# Altium PCB ps32-lite_rev_a_public.pcbdoc (part 1 of 3)
Units mm, origin at the board's own origin, x right, y up, seen from the top; angles counter-clockwise.
Board outline 80 x 99 mm, 4 copper layers (Top Layer, Int1 (GND), Int2 (PWR), Bottom Layer), stack 1.369 mm thick; 80 components, 247 nets, 825 pads, 640 vias.
Unrouted connection lines stored in the file: 30.
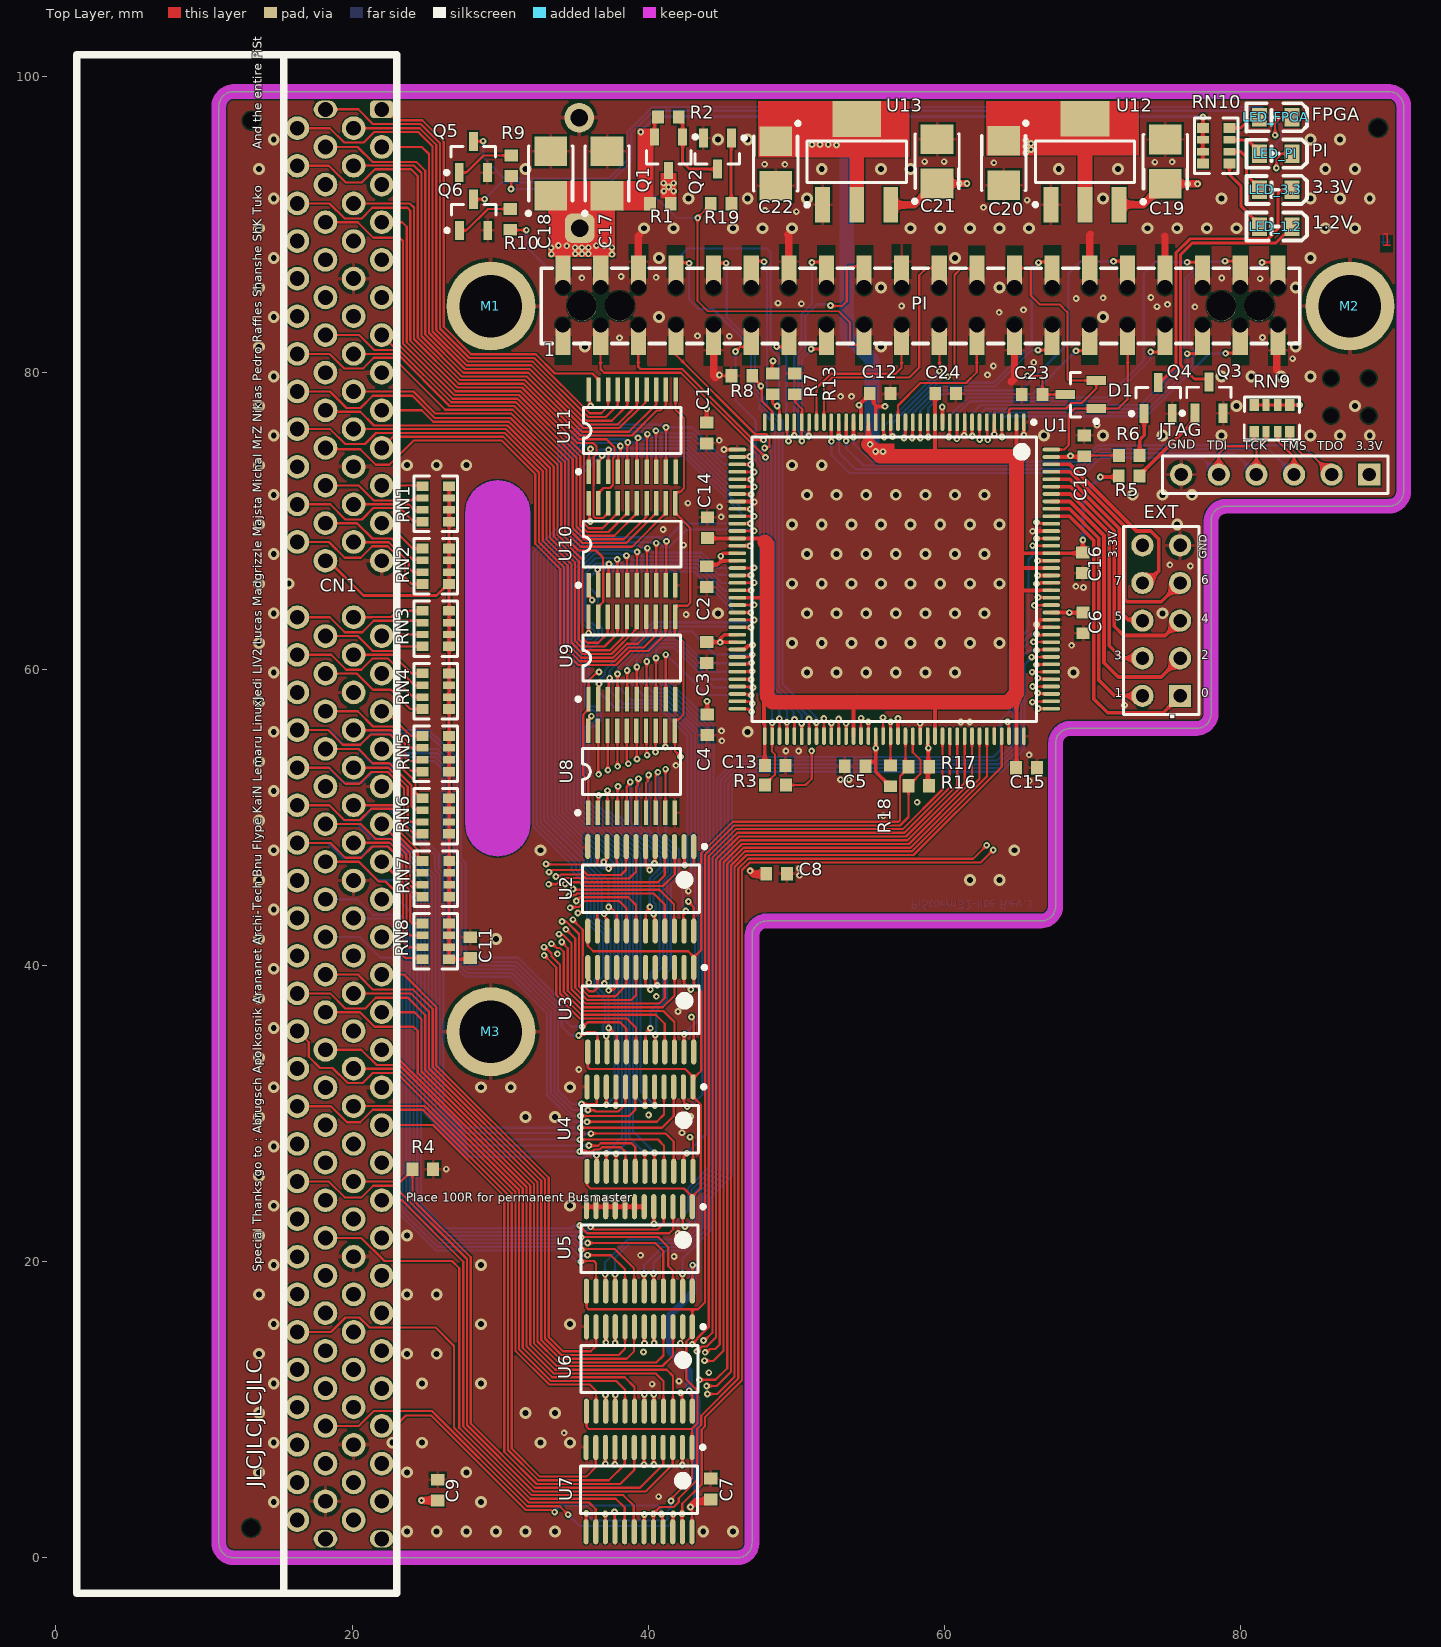
[diagram p0: Top Layer view]
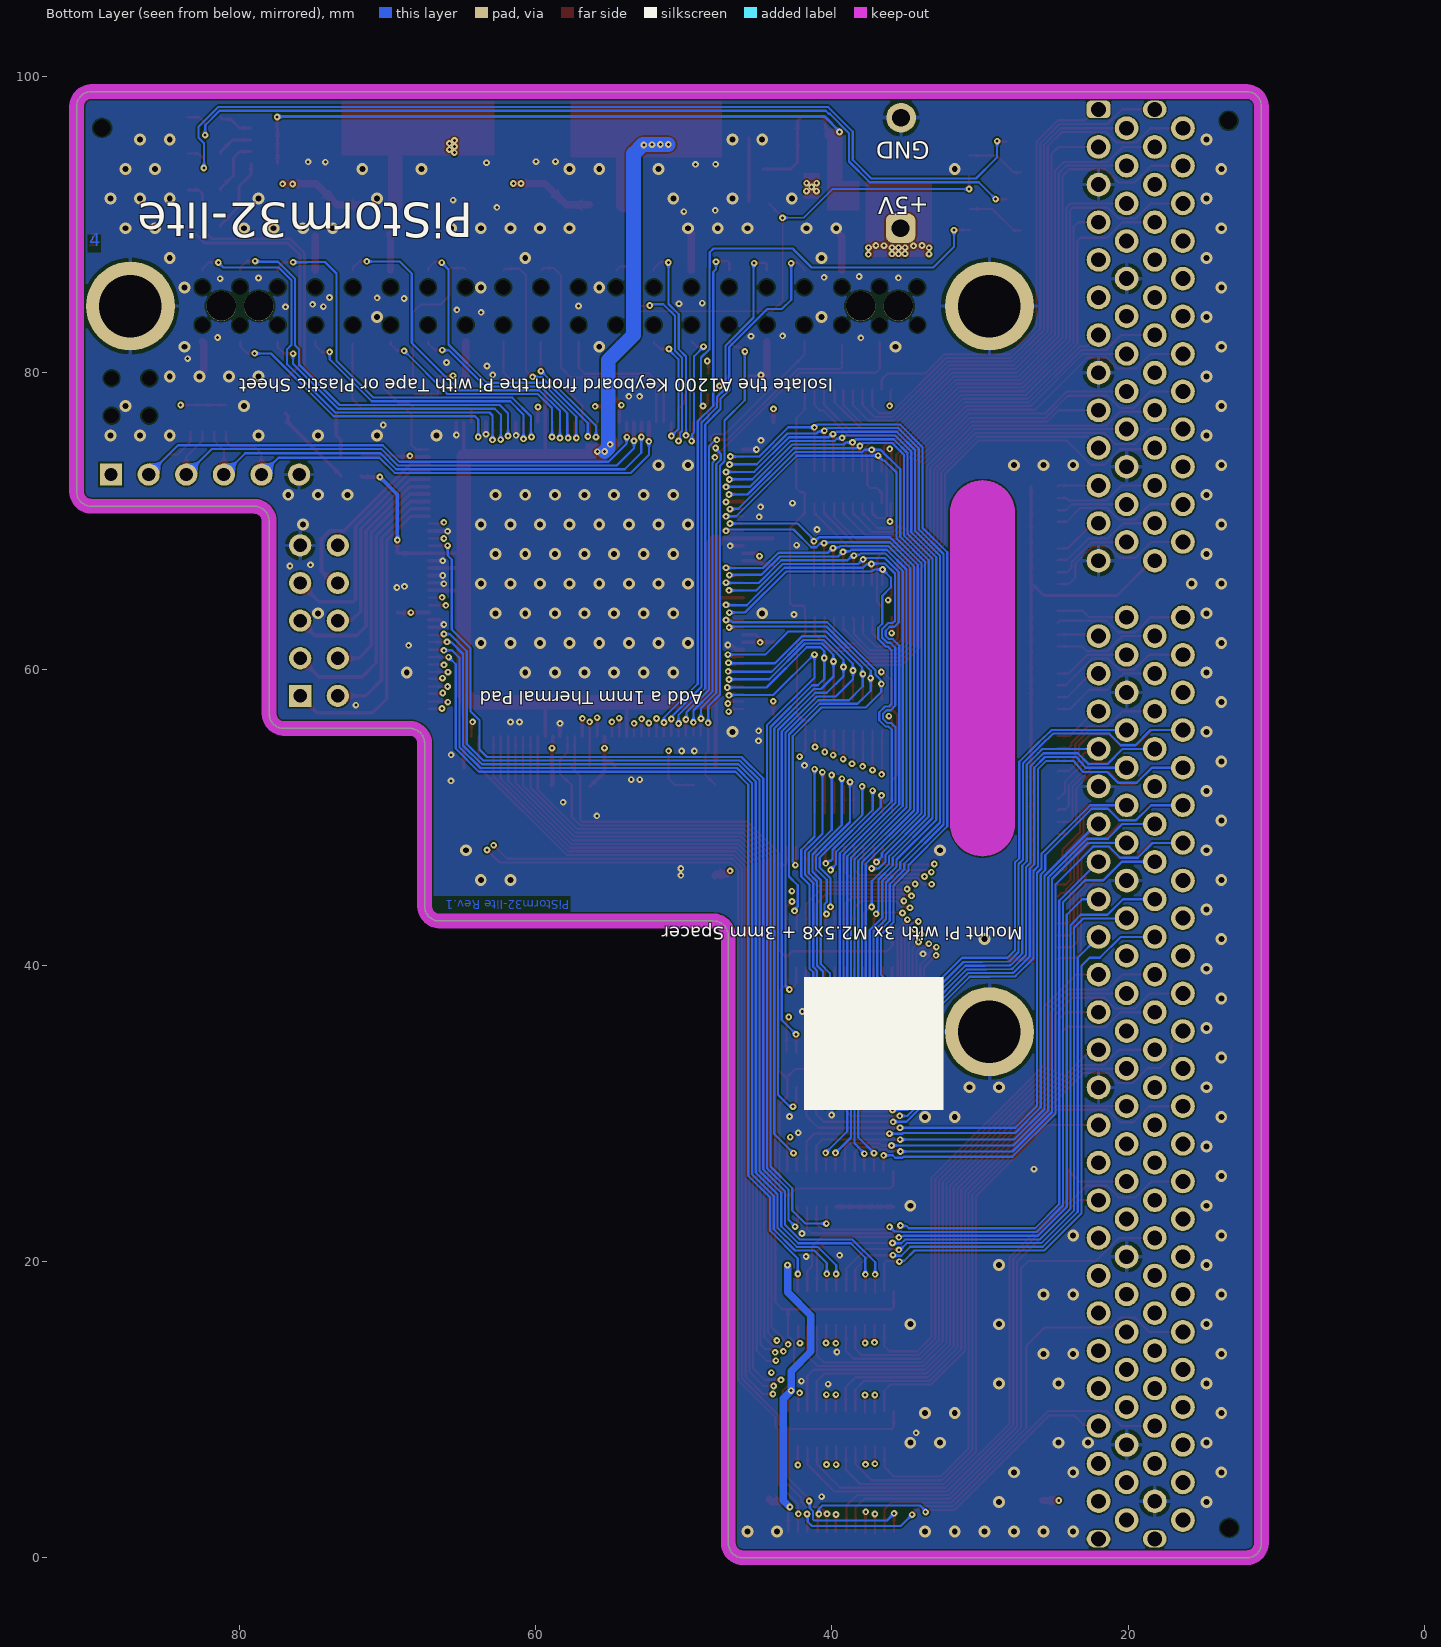
[diagram p1: Bottom Layer view, seen from below]
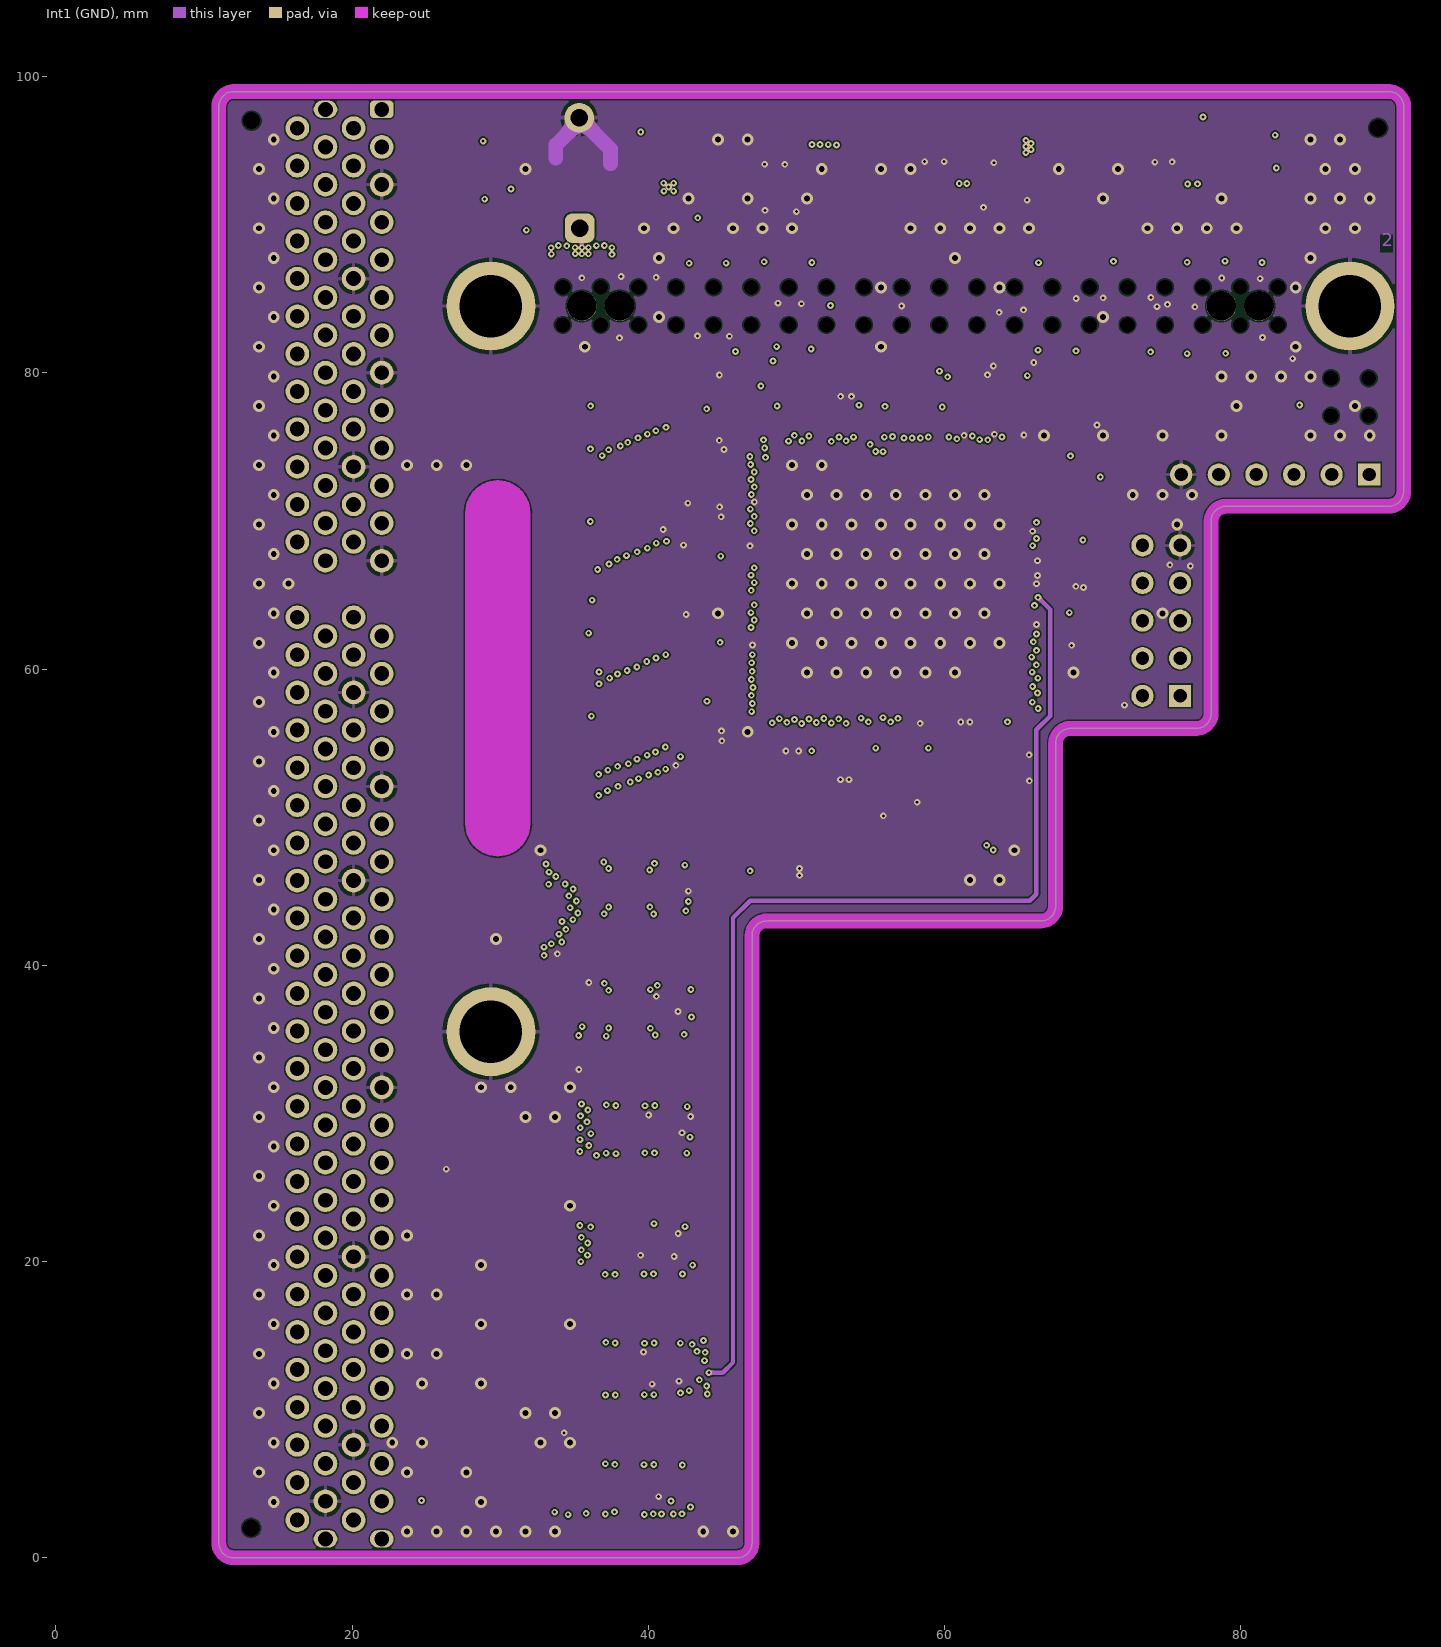
[diagram p2: Int1 (GND)]
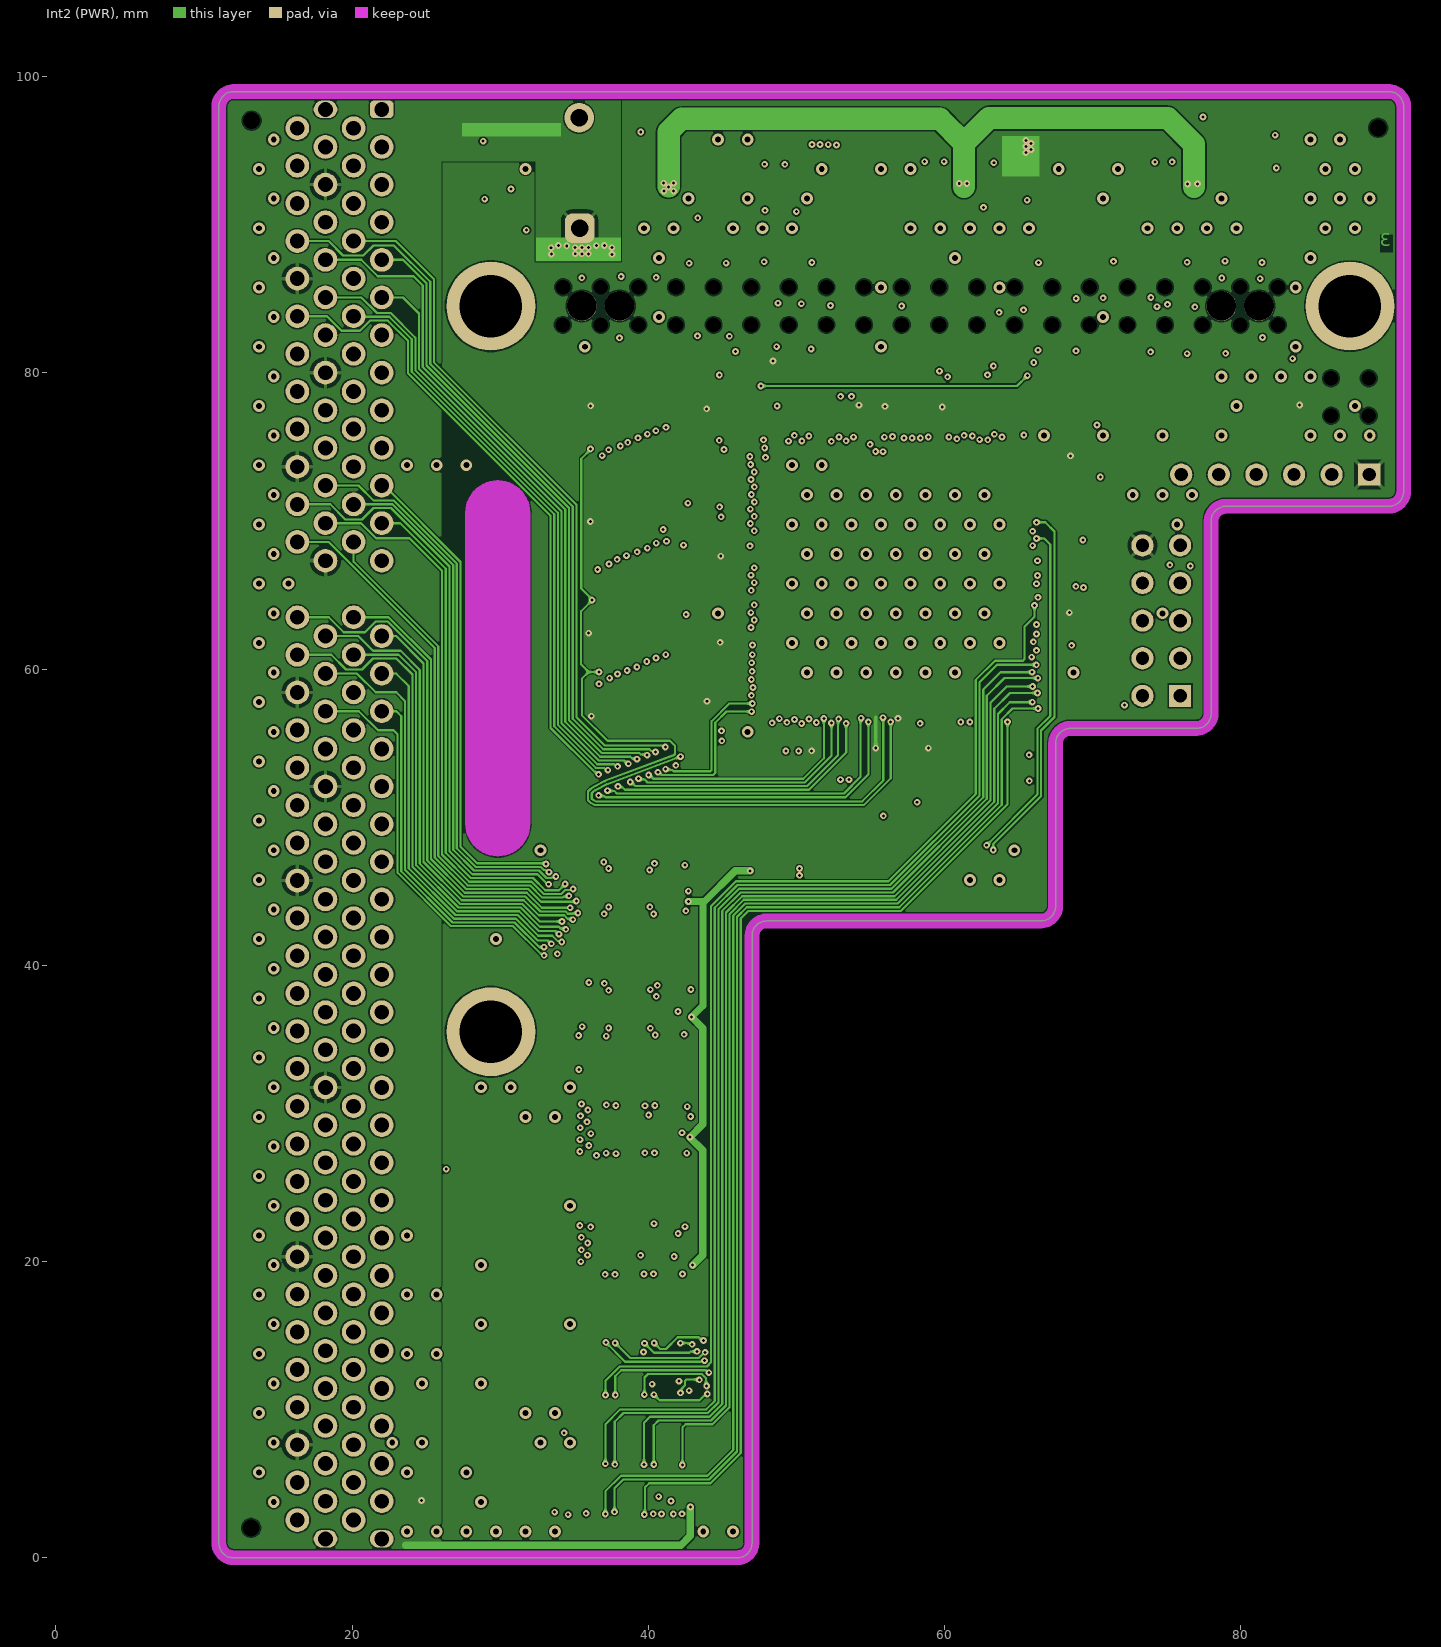
[diagram p3: Int2 (PWR)]

## Layer stack, top to bottom
Top Solder: solder mask 0.0254, SM-001, Dk 4
Top Layer: signal copper 0.035
Dielectric 1: prepreg 0.1295, PP-017, Dk 4.3
Dielectric 2: prepreg 0.1295, PP-017, Dk 4.3
Int1 (GND): signal copper 0.035
Dielectric 3: core 0.7112, Core-039, Dk 4.8
Int2 (PWR): signal copper 0.035
Dielectric 4: prepreg 0.1295, PP-017, Dk 4.3
Dielectric 5: prepreg 0.1295, PP-017, Dk 4.3
Bottom Layer: signal copper 0.035
Bottom Solder: solder mask 0.0254, SM-001, Dk 4

## Board outline
11,1 ccw(c12,1) 12,0 46,0 ccw(c46,1) 47,1 47,42 cw(c48,42) 48,43 66.5,43 ccw(c66.5,44) 67.5,44 67.5,55 cw(c68.5,55) 68.5,56 77,56 ccw(c77,57) 78,57 78,70 cw(c79,70) 79,71 90,71 ccw(c90,72) 91,72 91,98 ccw(c90,98) 90,99 12,99 ccw(c12,98) 11,98
cut-out: 27.834,49.56 ccw(c29.834,49.56) 31.835,49.56 31.835,70.56 ccw(c29.834,70.56) 27.834,70.56

## Design rules (kind name [scope] priority, off if disabled: settings)
Clearance Free_1 [(InPadClass('Free')) or InComponent('PI')] p1: gap=0.1 ignorepadtopadclearanceinfootprint=TRUE except(0: SMDPad-THPad SMDPad-Hole)
Clearance [All] p2: gap=0.1 ignorepadtopadclearanceinfootprint=FALSE
ComponentClearance Free [(InPadClass('Free'))] p1: gap=0 collisioncheckmode=3 verticalgap=0 showdistances=FALSE
ComponentClearance [All] p2: gap=0.254 collisioncheckmode=3 verticalgap=-10 showdistances=FALSE
DiffPairsRouting [All] p1: maxlimit=0.254 minlimit=0.127 mostfreqgap=0.127 toplayer_minwidth=0.127 toplayer_maxwidth=0.127 toplayer_prefwidth=0.127 midlayer1_minwidth=0.127 midlayer1_maxwidth=0.127 midlayer1_prefwidth=0.127 midlayer2_minwidth=0.127 midlayer2_maxwidth=0.127 midlayer2_prefwidth=0.127 bottomlayer_minwidth=0.127 bottomlayer_maxwidth=0.127 bottomlayer_prefwidth=0.127 maxuncoupledlength=12.7
HoleSize [All] p1: absolutevalues=TRUE maxlimit=5 minlimit=0.025 maxpercent=80.000 minpercent=20.000
HoleToHoleClearance [All] p1: gap=0.2 allowstackedmicrovias=TRUE
PolygonConnect PolygonConnect_5 [All vs IsNamedPolygon('GND_L04_P004')] p1: thpad.connectstyle=Relief thpad.reliefconductorwidth=0.254 thpad.reliefentries=4 thpad.polygonreliefangle="90 Angle" thpad.airgapwidth=0.254 smdpad.connectstyle=Relief smdpad.reliefconductorwidth=0.254 smdpad.reliefentries=4 smdpad.polygonreliefangle="90 Angle" smdpad.airgapwidth=0.254 via.connectstyle=Direct via.reliefconductorwidth=0.254 via.reliefentries=4 via.polygonreliefangle="90 Angle" via.airgapwidth=0.254
PolygonConnect PolygonConnect_4 [All vs IsNamedPolygon('+5_L03_P001')] p2: thpad.connectstyle=Relief thpad.reliefconductorwidth=0.254 thpad.reliefentries=4 thpad.polygonreliefangle="90 Angle" thpad.airgapwidth=0.254 smdpad.connectstyle=Direct smdpad.reliefconductorwidth=0.254 smdpad.reliefentries=4 smdpad.polygonreliefangle="90 Angle" smdpad.airgapwidth=0.254 via.connectstyle=Direct via.reliefconductorwidth=0.254 via.reliefentries=4 via.polygonreliefangle="90 Angle" via.airgapwidth=0.254
PolygonConnect PolygonConnect_3 [All vs IsNamedPolygon('+5_L03_P000')] p3: thpad.connectstyle=Relief thpad.reliefconductorwidth=0.254 thpad.reliefentries=4 thpad.polygonreliefangle="90 Angle" thpad.airgapwidth=0.254 smdpad.connectstyle=Direct smdpad.reliefconductorwidth=0.254 smdpad.reliefentries=4 smdpad.polygonreliefangle="90 Angle" smdpad.airgapwidth=0.254 via.connectstyle=Direct via.reliefconductorwidth=0.254 via.reliefentries=4 via.polygonreliefangle="90 Angle" via.airgapwidth=0.254
PolygonConnect PolygonConnect_2 [All vs IsNamedPolygon('GND_L02_P002')] p4: thpad.connectstyle=Relief thpad.reliefconductorwidth=0.254 thpad.reliefentries=4 thpad.polygonreliefangle="90 Angle" thpad.airgapwidth=0.254 smdpad.connectstyle=Direct smdpad.reliefconductorwidth=0.254 smdpad.reliefentries=4 smdpad.polygonreliefangle="90 Angle" smdpad.airgapwidth=0.254 via.connectstyle=Direct via.reliefconductorwidth=0.254 via.reliefentries=4 via.polygonreliefangle="90 Angle" via.airgapwidth=0.254
PolygonConnect PolygonConnect_1 [All vs IsNamedPolygon('GND_L01_P003')] p5: thpad.connectstyle=Relief thpad.reliefconductorwidth=0.254 thpad.reliefentries=4 thpad.polygonreliefangle="90 Angle" thpad.airgapwidth=0.254 smdpad.connectstyle=Relief smdpad.reliefconductorwidth=0.2 smdpad.reliefentries=4 smdpad.polygonreliefangle="90 Angle" smdpad.airgapwidth=0.15 via.connectstyle=Direct via.reliefconductorwidth=0.254 via.reliefentries=4 via.polygonreliefangle="90 Angle" via.airgapwidth=0.254
PolygonConnect [All] p6: thpad.connectstyle=Relief thpad.reliefconductorwidth=0.254 thpad.reliefentries=4 thpad.polygonreliefangle="45 Angle" thpad.airgapwidth=0.254 smdpad.connectstyle=Relief smdpad.reliefconductorwidth=0.254 smdpad.reliefentries=4 smdpad.polygonreliefangle="45 Angle" smdpad.airgapwidth=0.254 via.connectstyle=Direct via.reliefconductorwidth=0.254 via.reliefentries=4 via.polygonreliefangle="45 Angle" via.airgapwidth=0.254
RoutingVias [All] p1: holewidth=0.2 width=0.4 viastyle="Through Hole" minholewidth=0.2 minwidth=0.45 maxholewidth=0.711 maxwidth=1.27
SolderMaskExpansion [All] p1: expansion=0.102 istentingtop=FALSE
Width [All] p1: maxlimit=10 minlimit=0.127 preferedwidth=0.127
26 further rules are at their usual default settings.

## Classes and differential pairs
pad class Free: Free-44 Free-45 Free-46 Free-47 Free-49

## Components (designator, comment, footprint, x,y, rotation, side; value= is the part's Value field where it differs from the comment)
C1 "Cap Semi" 1608[0603] 43.942,75.946 r90 top value=100n
C2 "Cap Semi" 1608[0603] 43.95,66.248 r90 top value=100n
C3 "Cap Semi" 1608[0603] 43.942,61.129 r90 top value=100n
C4 "Cap Semi" 1608[0603] 43.97,56.25 r90 top value=100n
C5 "Cap Semi" 1608[0603] 53.963,53.447 r0 top value=100n
C6 "Cap Semi" 1608[0603] 69.352,63.124 r90 top value=100n
C7 "Cap Semi" 1608[0603] 44.224,4.646 r270 top value=100n
C8 "Cap Semi" 1608[0603] 48.659,46.195 r180 top value=100n
C9 "Cap Semi" 1608[0603] 25.781,4.572 r270 top value=100n
C10 "Cap Semi" 1608[0603] 69.444,75.081 r270 top value=100n
C11 "Cap Semi" 1608[0603] 27.969,41.199 r270 top value=100n
C12 "Cap Semi" 1608[0603] 55.645,78.61 r180 top value=100n
C13 "Cap Semi" 1608[0603] 48.566,53.497 r180 top value=100n
C14 "Cap Semi" 1608[0603] 43.99,69.555 r270 top value=100n
C15 "Cap Semi" 1608[0603] 65.532,53.34 r180 top value=100n
C16 "Cap Semi" 1608[0603] 69.342,67.183 r90 top value=100n
C17 "TAJA" T 37.211,93.472 r90 top value=10uF/16V
C18 "TAJA" T 33.401,93.472 r90 top value=10uF/16V
C19 "TAJA" T 74.915,94.265 r90 top value=10uF/16V
C20 "TAJA" T 63.988,94.172 r270 top value=10uF/16V
C21 "TAJA" T 59.493,94.292 r90 top value=10uF/16V
C22 "TAJA" T 48.599,94.149 r270 top value=10uF/16V
C23 "Cap Semi" 1608[0603] 65.913,78.549 r180 top value=100n
C24 "Cap Semi" 1608[0603] 60.071,78.613 r180 top value=100n
CN1 "A1200-EXPANSION_SLOT" CON_150 22,97.8 r90 top locked
D1 "BAT54C" SOT23_N 69.194,78.543 r180 top
EXT "Header 5X2" HDR2X5 75.905,58.199 r90 top
JTAG "Header 6" HDR1X6 88.677,73.14 r180 top
LED_1.2 "FC-2012HRK-620D" LED0805-RD 82.37,89.888 r180 top
LED_3.3 "FC-2012HRK-620D" LED0805-RD 82.37,92.365 r180 top
LED_FPGA "FC-2012HRK-620D" LED0805-RD 82.37,97.268 r180 top
LED_PI "FC-2012HRK-620D" LED0805-RD 82.37,94.814 r180 top
M1 "Mount" 9774045151 29.367,84.516 r180 top
M2 "Mount" 9774045151 87.367,84.516 r180 top
M3 "Mount" 9774045151 29.367,35.516 r180 top
PI "Header 20X2" CONN-SMD_FH-00369 58.366,84.527 r0 top locked
Q1 "IRLML6401" Micro3_N 41.366,94.812 r270 top
Q2 "BC847B" SOT23_N 44.666,94.817 r270 top
Q3 "BC847B" SOT23_N 77.854,78.337 r90 top
Q4 "BC847B" SOT23_N 74.427,78.307 r90 top
Q5 "BC847B" SOT23_N 28.183,94.581 r90 top
Q6 "BC847B" SOT23_N 28.205,90.678 r90 top
R1 "E0424-846-00" 1608[0603] 40.816,91.421 r180 top
R2 "E0424-846-00" 1608[0603] 41.358,97.289 r180 top
R3 "E0424-846-00" 1608[0603] 48.588,52.176 r0 top
R4 "E0424-846-00" 1608[0603] 24.767,26.235 r0 top
R5 "E0424-846-00" 1608[0603] 72.459,73.039 r180 top
R6 "E0424-846-00" 1608[0603] 72.472,74.431 r180 top
R7 "E0424-846-00" 1608[0603] 48.39,79.264 r90 top
R8 "E0424-846-00" 1608[0603] 46.312,79.811 r180 top
R9 "E0424-846-00" 1608[0603] 30.748,93.989 r270 top
R10 "E0424-846-00" 1608[0603] 30.683,90.376 r270 top
R13 "E0424-846-00" 1608[0603] 49.878,79.259 r270 top
R16 "1K" 1608[0603] 58.261,52.13 r180 top value=22
R17 "1K" 1608[0603] 58.266,53.405 r180 top value=22
R18 "1K" 1608[0603] 56.347,52.793 r270 top value=22
R19 "E0424-846-00" 1608[0603] 44.913,91.432 r180 top
RN1 "10kΩ" RES-ARRAY-SMD_0603-8P-L3.2-W1.6-BL 25.651,71.159 r90 top
RN2 "10kΩ" RES-ARRAY-SMD_0603-8P-L3.2-W1.6-BL 25.651,66.952 r90 top
RN3 "10kΩ" RES-ARRAY-SMD_0603-8P-L3.2-W1.6-BL 25.651,62.739 r90 top
RN4 "10kΩ" RES-ARRAY-SMD_0603-8P-L3.2-W1.6-BL 25.651,58.513 r90 top
RN5 "10kΩ" RES-ARRAY-SMD_0603-8P-L3.2-W1.6-BL 25.651,54.285 r90 top
RN6 "10kΩ" RES-ARRAY-SMD_0603-8P-L3.2-W1.6-BL 25.651,50.081 r90 top
RN7 "10kΩ" RES-ARRAY-SMD_0603-8P-L3.2-W1.6-BL 25.654,45.847 r90 top
RN8 "10kΩ" RES-ARRAY-SMD_0603-8P-L3.2-W1.6-BL 25.651,41.627 r90 top
RN9 "10kΩ" RES-ARRAY-SMD_0603-8P-L3.2-W1.6-BL 82.107,76.934 r180 top
RN10 "2.2k" RES-ARRAY-SMD_0603-8P-L3.2-W1.6-BL 78.34,95.345 r270 top
U1 "T8Q144Cx" LQFP144 56.608,66.078 r270 top
U2 "SN74CBTD3384PWLE" PW024_N 39.489,45.173 r270 top
U3 "SN74CBTD3384PWLE" PW024_N 39.487,37.009 r270 top
U4 "SN74CBTD3384PWLE" PW024_N 39.439,28.946 r270 top
U5 "SN74CBTD3384PWLE" PW024_N 39.394,20.857 r270 top
U6 "SN74CBTD3384PWLE" PW024_N 39.394,12.75 r270 top
U7 "SN74CBTD3384PWLE" PW024_N 39.375,4.605 r270 top
U8 "SN74LVC573APWLE" PW020 38.867,53.081 r0 top
U9 "SN74LVC573APWLE" PW020 38.886,60.751 r0 top
U10 "SN74LVC573APWLE" PW020 38.904,68.44 r0 top
U11 "SN74LVC573APWLE" PW020 38.911,76.112 r0 top
U12 "AMS1117-3.3" MP04A_N 69.484,94.27 r90 top
U13 "AMS1117-1.2" MP04A_N 54.069,94.248 r90 top

## Footprints (in the part's own frame and the unit in brackets; to place one, negate y for a bottom-side part, rotate by r counter-clockwise, add the part's x,y. Pads: shape width x height; smd on the part's side, far side on the other; paste and mask are expansions set on the pad)
1608[0603] [mm] "Chip Capacitor, Body 1.6x0.8mm, IPC High Density"
  rect 0.8x0.9 smd: 1(-0.7,0) 2(0.7,0)
  body extent -0.87,-0.48 0.87,0.48, height 1.3
9774045151 [mm] "SMT Steel Spacer with internal Thread M2.5, height 4.5mm"
  round 6 hole 4.22: 1(0,0)
  body extent -2.55,-2.55 2.55,2.55, height 4.5
CON_150 [mm]
  rrect50% 1.2x1.6 hole 1: P$1(0,0)
  oval 1.2x1.6 hole 1: P$2(0,3.8) P$149(-96.52,0) P$150(-96.52,3.8)
  round 1.6 hole 1: P$3(-1.27,1.9) P$4(-1.27,5.7) P$5(-2.54,0) P$6(-2.54,3.8) P$7(-3.81,1.9) P$8(-3.81,5.7) P$9(-5.08,0) P$10(-5.08,3.8) P$11(-6.35,1.9) P$12(-6.35,5.7) P$13(-7.62,0) P$14(-7.62,3.8) P$15(-8.89,1.9) P$16(-8.89,5.7) P$17(-10.16,0) P$18(-10.16,3.8) P$19(-11.43,1.9) P$20(-11.43,5.7) P$21(-12.7,0) P$22(-12.7,3.8) P$23(-13.97,1.9) P$24(-13.97,5.7) P$25(-15.24,0) P$26(-15.24,3.8) P$27(-16.51,1.9) P$28(-16.51,5.7) P$29(-17.78,0) P$30(-17.78,3.8) P$31(-19.05,1.9) P$32(-19.05,5.7) P$33(-20.32,0) P$34(-20.32,3.8) P$35(-21.59,1.9) P$36(-21.59,5.7) P$37(-22.86,0) P$38(-22.86,3.8) P$39(-24.13,1.9) P$40(-24.13,5.7) P$41(-25.4,0) P$42(-25.4,3.8) P$43(-26.67,1.9) P$44(-26.67,5.7) P$45(-27.94,0) P$46(-27.94,3.8) P$47(-29.21,1.9) P$48(-29.21,5.7) P$49(-30.48,0) P$50(-30.48,3.8) P$51(-34.29,1.9) P$52(-34.29,5.7) P$53(-35.56,0) P$54(-35.56,3.8) P$55(-36.83,1.9) P$56(-36.83,5.7) P$57(-38.1,0) P$58(-38.1,3.8) P$59(-39.37,1.9) P$60(-39.37,5.7) P$61(-40.64,0) P$62(-40.64,3.8) P$63(-41.91,1.9) P$64(-41.91,5.7) P$65(-43.18,0) P$66(-43.18,3.8) P$67(-44.45,1.9) P$68(-44.45,5.7) P$69(-45.72,0) P$70(-45.72,3.8) P$71(-46.99,1.9) P$72(-46.99,5.7) P$73(-48.26,0) P$74(-48.26,3.8) P$75(-49.53,1.9) P$76(-49.53,5.7) P$77(-50.8,0) P$78(-50.8,3.8) P$79(-52.07,1.9) P$80(-52.07,5.7) P$81(-53.34,0) P$82(-53.34,3.8) P$83(-54.61,1.9) P$84(-54.61,5.7) P$85(-55.88,0) P$86(-55.88,3.8) P$87(-57.15,1.9) P$88(-57.15,5.7) P$89(-58.42,0) P$90(-58.42,3.8) P$91(-59.69,1.9) P$92(-59.69,5.7) P$93(-60.96,0) P$94(-60.96,3.8) P$95(-62.23,1.9) P$96(-62.23,5.7) P$97(-63.5,0) P$98(-63.5,3.8) P$99(-64.77,1.9) P$100(-64.77,5.7) P$101(-66.04,0) P$102(-66.04,3.8) P$103(-67.31,1.9) P$104(-67.31,5.7) P$105(-68.58,0) P$106(-68.58,3.8) P$107(-69.85,1.9) P$108(-69.85,5.7) P$109(-71.12,0) P$110(-71.12,3.8) P$111(-72.39,1.9) P$112(-72.39,5.7) P$113(-73.66,0) P$114(-73.66,3.8) P$115(-74.93,1.9) P$116(-74.93,5.7) P$117(-76.2,0) P$118(-76.2,3.8) P$119(-77.47,1.9) P$120(-77.47,5.7) P$121(-78.74,0) P$122(-78.74,3.8) P$123(-80.01,1.9) P$124(-80.01,5.7) P$125(-81.28,0) P$126(-81.28,3.8) P$127(-82.55,1.9) P$128(-82.55,5.7) P$129(-83.82,0) P$130(-83.82,3.8) P$131(-85.09,1.9) P$132(-85.09,5.7) P$133(-86.36,0) P$134(-86.36,3.8) P$135(-87.63,1.9) P$136(-87.63,5.7) P$137(-88.9,0) P$138(-88.9,3.8) P$139(-90.17,1.9) P$140(-90.17,5.7) P$141(-91.44,0) P$142(-91.44,3.8) P$143(-92.71,1.9) P$144(-92.71,5.7) P$145(-93.98,0) P$146(-93.98,3.8) P$147(-95.25,1.9) P$148(-95.25,5.7)